# KiCad board SparkFun_GNSS_LG290P_panelized.kicad_pcb (continued)
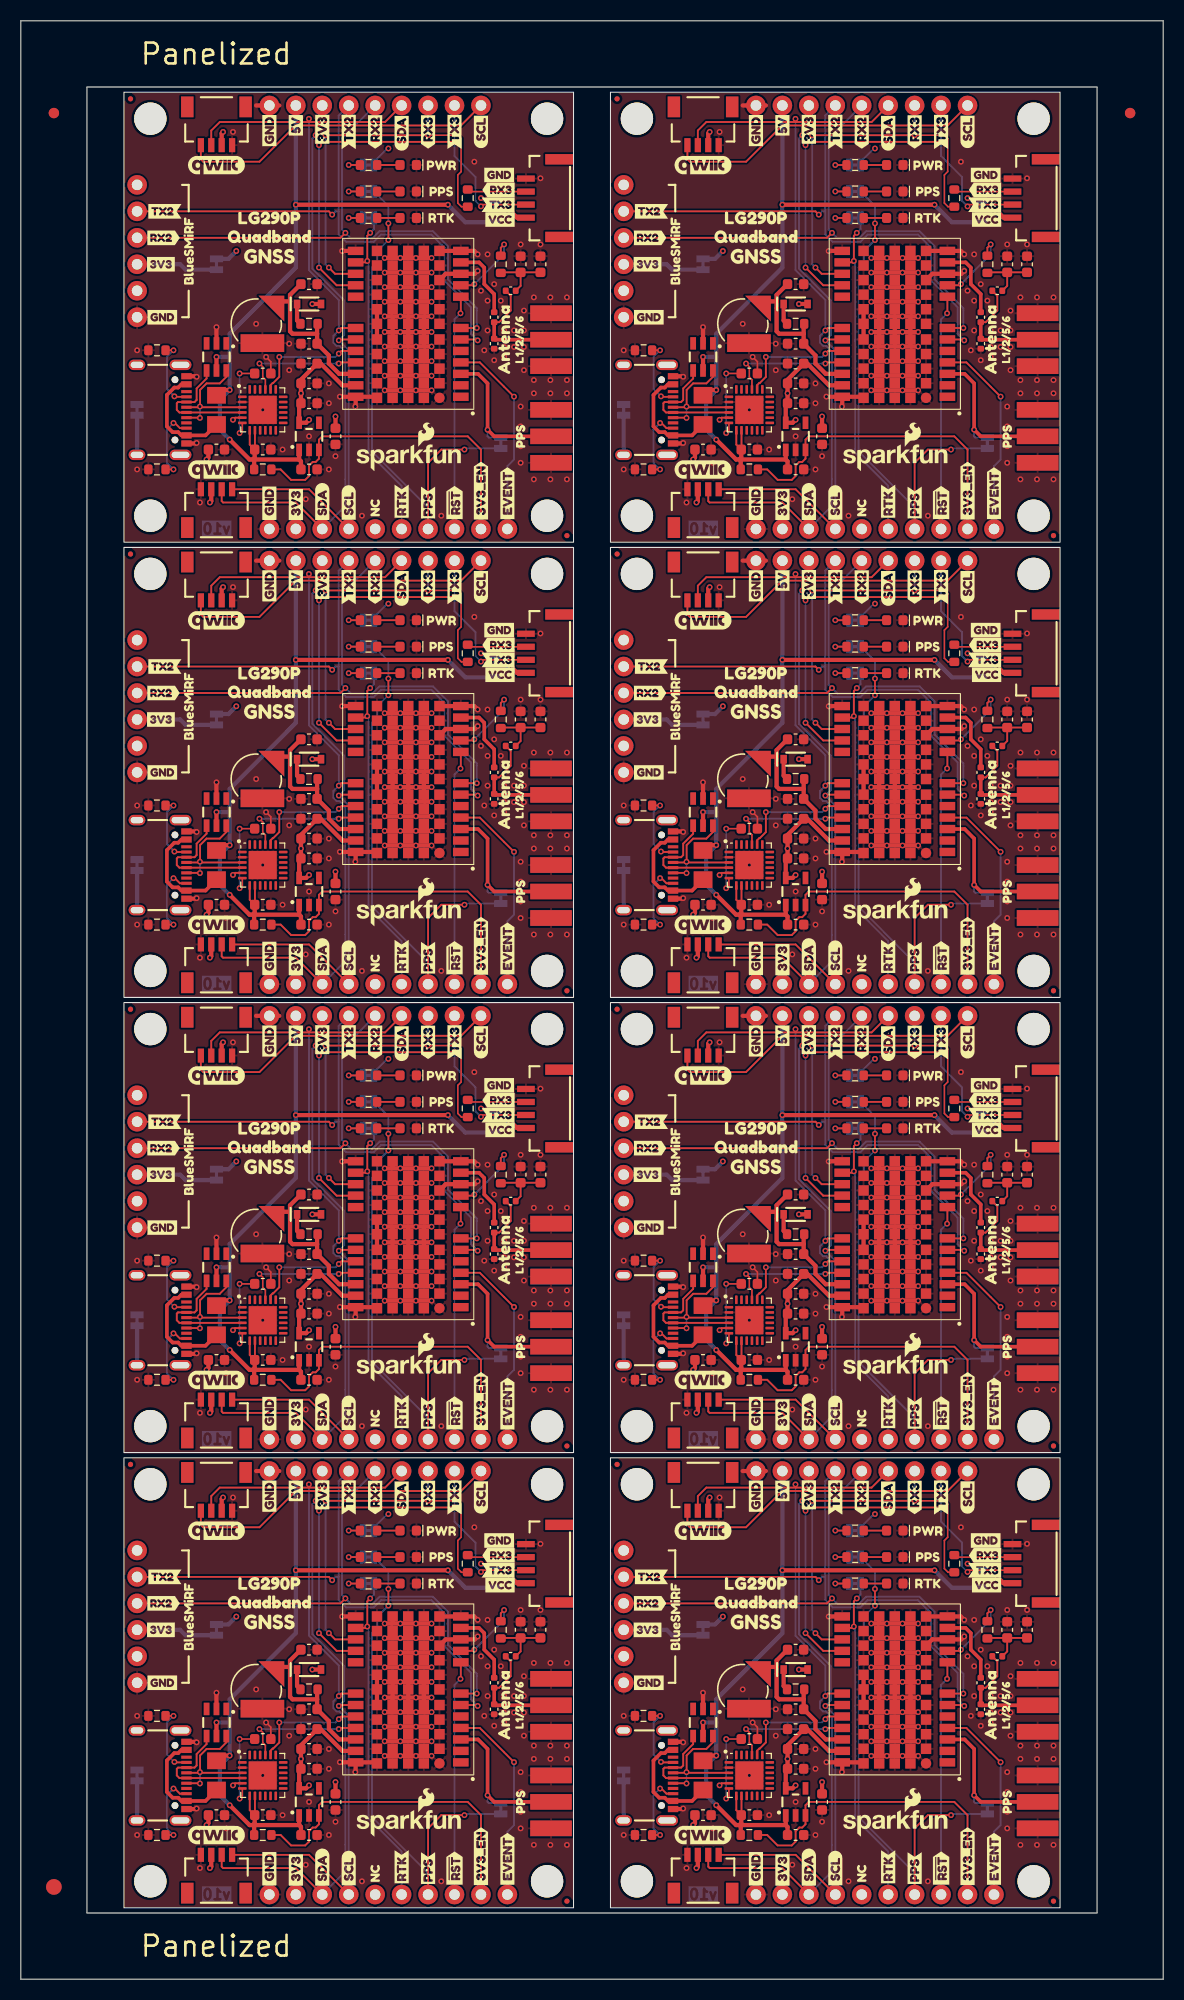
[diagram p0: board, top side]
## Placement (name value [footprint] x y rotation side) (continued)
JP7#5  ~  [Jumper_2_NC_Trace]  57.89 63.23 270 bottom
JP7#6  ~  [Jumper_2_NC_Trace]  57.89 106.91 270 bottom
JP7#7  ~  [Jumper_2_NC_Trace]  11.16 150.59 270 bottom
JP7#8  ~  [Jumper_2_NC_Trace]  57.89 150.59 270 bottom
kibuzzard-64C2E6A3  G***  [kibuzzard-64C2E6A3]  87.12 86.69 0 top
kibuzzard-64C2E6A3#2  G***  [kibuzzard-64C2E6A3]  87.12 43.01 0 top
kibuzzard-64C2E6A3#3  G***  [kibuzzard-64C2E6A3]  40.39 86.69 0 top
kibuzzard-64C2E6A3#4  G***  [kibuzzard-64C2E6A3]  87.12 174.05 0 top
kibuzzard-64C2E6A3#5  G***  [kibuzzard-64C2E6A3]  40.39 130.37 0 top
kibuzzard-64C2E6A3#6  G***  [kibuzzard-64C2E6A3]  40.39 174.05 0 top
kibuzzard-64C2E6A3#7  G***  [kibuzzard-64C2E6A3]  87.12 130.37 0 top
kibuzzard-64C2E6A3#8  G***  [kibuzzard-64C2E6A3]  40.39 43.01 0 top
kibuzzard-64C2E6BD  G***  [kibuzzard-64C2E6BD]  40.38 40.51 0 top
kibuzzard-64C2E6BD#2  G***  [kibuzzard-64C2E6BD]  40.38 127.87 0 top
kibuzzard-64C2E6BD#3  G***  [kibuzzard-64C2E6BD]  87.11 127.87 0 top
kibuzzard-64C2E6BD#4  G***  [kibuzzard-64C2E6BD]  87.11 40.51 0 top
kibuzzard-64C2E6BD#5  G***  [kibuzzard-64C2E6BD]  40.38 171.55 0 top
kibuzzard-64C2E6BD#6  G***  [kibuzzard-64C2E6BD]  40.38 84.19 0 top
kibuzzard-64C2E6BD#7  G***  [kibuzzard-64C2E6BD]  87.11 84.19 0 top
kibuzzard-64C2E6BD#8  G***  [kibuzzard-64C2E6BD]  87.11 171.55 0 top
kibuzzard-64C2E6D6  G***  [kibuzzard-64C2E6D6]  87.11 169 0 top
kibuzzard-64C2E6D6#2  G***  [kibuzzard-64C2E6D6]  87.11 81.65 0 top
kibuzzard-64C2E6D6#3  G***  [kibuzzard-64C2E6D6]  40.38 125.33 0 top
kibuzzard-64C2E6D6#4  G***  [kibuzzard-64C2E6D6]  40.38 169 0 top
kibuzzard-64C2E6D6#5  G***  [kibuzzard-64C2E6D6]  87.11 125.33 0 top
kibuzzard-64C2E6D6#6  G***  [kibuzzard-64C2E6D6]  87.11 37.97 0 top
kibuzzard-64C2E6D6#7  G***  [kibuzzard-64C2E6D6]  40.38 81.65 0 top
kibuzzard-64C2E6D6#8  G***  [kibuzzard-64C2E6D6]  40.38 37.97 0 top
kibuzzard-64C2E728  G***  [kibuzzard-64C2E728]  36.57 37.97 180 bottom
kibuzzard-64C2E728#2  G***  [kibuzzard-64C2E728]  36.57 125.33 180 bottom
kibuzzard-64C2E728#3  G***  [kibuzzard-64C2E728]  36.57 81.65 180 bottom
kibuzzard-64C2E728#4  G***  [kibuzzard-64C2E728]  83.3 37.97 180 bottom
kibuzzard-64C2E728#5  G***  [kibuzzard-64C2E728]  83.3 169 180 bottom
kibuzzard-64C2E728#6  G***  [kibuzzard-64C2E728]  83.3 81.65 180 bottom
kibuzzard-64C2E728#7  G***  [kibuzzard-64C2E728]  83.3 125.33 180 bottom
kibuzzard-64C2E728#8  G***  [kibuzzard-64C2E728]  36.57 169 180 bottom
kibuzzard-64C2EB16  G***  [kibuzzard-64C2EB16]  46.42 26.28 90 top
kibuzzard-64C2EB16#2  G***  [kibuzzard-64C2EB16]  46.42 157.32 90 top
kibuzzard-64C2EB16#3  G***  [kibuzzard-64C2EB16]  46.42 113.64 90 top
kibuzzard-64C2EB16#4  G***  [kibuzzard-64C2EB16]  46.42 69.96 90 top
kibuzzard-64C2EB16#5  G***  [kibuzzard-64C2EB16]  93.14 26.28 90 top
kibuzzard-64C2EB16#6  G***  [kibuzzard-64C2EB16]  93.14 69.96 90 top
kibuzzard-64C2EB16#7  G***  [kibuzzard-64C2EB16]  93.14 113.64 90 top
kibuzzard-64C2EB16#8  G***  [kibuzzard-64C2EB16]  93.14 157.32 90 top
kibuzzard-64C3DF93  G***  [kibuzzard-64C3DF93]  12.94 19.55 270 bottom
kibuzzard-64C3DF93#2  G***  [kibuzzard-64C3DF93]  59.67 106.91 270 bottom
kibuzzard-64C3DF93#3  G***  [kibuzzard-64C3DF93]  59.67 150.59 270 bottom
kibuzzard-64C3DF93#4  G***  [kibuzzard-64C3DF93]  12.94 63.23 270 bottom
kibuzzard-64C3DF93#5  G***  [kibuzzard-64C3DF93]  12.94 150.59 270 bottom
kibuzzard-64C3DF93#6  G***  [kibuzzard-64C3DF93]  59.67 19.55 270 bottom
kibuzzard-64C3DF93#7  G***  [kibuzzard-64C3DF93]  59.67 63.23 270 bottom
kibuzzard-64C3DF93#8  G***  [kibuzzard-64C3DF93]  12.94 106.91 270 bottom
kibuzzard-64CB1646  G***  [kibuzzard-64CB1646]  36.57 43.05 180 bottom
kibuzzard-64CB1646#2  G***  [kibuzzard-64CB1646]  36.57 130.41 180 bottom
kibuzzard-64CB1646#3  G***  [kibuzzard-64CB1646]  83.3 130.41 180 bottom
kibuzzard-64CB1646#4  G***  [kibuzzard-64CB1646]  36.57 86.72 180 bottom
kibuzzard-64CB1646#5  G***  [kibuzzard-64CB1646]  36.57 174.09 180 bottom
kibuzzard-64CB1646#6  G***  [kibuzzard-64CB1646]  83.3 43.05 180 bottom
kibuzzard-64CB1646#7  G***  [kibuzzard-64CB1646]  83.3 86.72 180 bottom
kibuzzard-64CB1646#8  G***  [kibuzzard-64CB1646]  83.3 174.09 180 bottom
kibuzzard-64CB1658  G***  [kibuzzard-64CB1658]  36.57 40.51 180 bottom
kibuzzard-64CB1658#2  G***  [kibuzzard-64CB1658]  36.57 84.19 180 bottom
kibuzzard-64CB1658#3  G***  [kibuzzard-64CB1658]  36.57 127.87 180 bottom
kibuzzard-64CB1658#4  G***  [kibuzzard-64CB1658]  83.3 127.87 180 bottom
kibuzzard-64CB1658#5  G***  [kibuzzard-64CB1658]  36.57 171.55 180 bottom
kibuzzard-64CB1658#6  G***  [kibuzzard-64CB1658]  83.3 84.19 180 bottom
kibuzzard-64CB1658#7  G***  [kibuzzard-64CB1658]  83.3 171.55 180 bottom
kibuzzard-64CB1658#8  G***  [kibuzzard-64CB1658]  83.3 40.51 180 bottom
kibuzzard-64D296AE  G***  [kibuzzard-64D296AE]  23.87 77.96 0 top
kibuzzard-64D296AE#2  G***  [kibuzzard-64D296AE]  70.6 34.28 0 top
kibuzzard-64D296AE#3  G***  [kibuzzard-64D296AE]  70.6 77.96 0 top
kibuzzard-64D296AE#4  G***  [kibuzzard-64D296AE]  70.6 121.64 0 top
kibuzzard-64D296AE#5  G***  [kibuzzard-64D296AE]  23.87 121.64 0 top
kibuzzard-64D296AE#6  G***  [kibuzzard-64D296AE]  23.87 165.32 0 top
kibuzzard-64D296AE#7  G***  [kibuzzard-64D296AE]  70.6 165.32 0 top
kibuzzard-64D296AE#8  G***  [kibuzzard-64D296AE]  23.87 34.28 0 top
kibuzzard-66C94FCB  G***  [kibuzzard-66C94FCB]  31.49 25.58 180 bottom
kibuzzard-66C94FCB#2  G***  [kibuzzard-66C94FCB]  31.49 156.62 180 bottom
kibuzzard-66C94FCB#3  G***  [kibuzzard-66C94FCB]  78.22 25.58 180 bottom
kibuzzard-66C94FCB#4  G***  [kibuzzard-66C94FCB]  31.49 69.26 180 bottom
kibuzzard-66C94FCB#5  G***  [kibuzzard-66C94FCB]  31.49 112.94 180 bottom
kibuzzard-66C94FCB#6  G***  [kibuzzard-66C94FCB]  78.22 69.26 180 bottom
kibuzzard-66C94FCB#7  G***  [kibuzzard-66C94FCB]  78.22 156.62 180 bottom
kibuzzard-66C94FCB#8  G***  [kibuzzard-66C94FCB]  78.22 112.94 180 bottom
kibuzzard-66C9493A  G***  [kibuzzard-66C9493A]  23.87 167.23 0 top
kibuzzard-66C9493A#2  G***  [kibuzzard-66C9493A]  23.87 79.87 0 top
kibuzzard-66C9493A#3  G***  [kibuzzard-66C9493A]  23.87 123.55 0 top
kibuzzard-66C9493A#4  G***  [kibuzzard-66C9493A]  70.6 36.19 0 top
kibuzzard-66C9493A#5  G***  [kibuzzard-66C9493A]  70.6 167.23 0 top
kibuzzard-66C9493A#6  G***  [kibuzzard-66C9493A]  70.6 79.87 0 top
kibuzzard-66C9493A#7  G***  [kibuzzard-66C9493A]  70.6 123.55 0 top
kibuzzard-66C9493A#8  G***  [kibuzzard-66C9493A]  23.87 36.19 0 top
kibuzzard-66C94934  G***  [kibuzzard-66C94934]  23.87 81.65 0 top
kibuzzard-66C94934#2  G***  [kibuzzard-66C94934]  23.87 125.33 0 top
kibuzzard-66C94934#3  G***  [kibuzzard-66C94934]  70.6 37.97 0 top
kibuzzard-66C94934#4  G***  [kibuzzard-66C94934]  70.6 81.65 0 top
kibuzzard-66C94934#5  G***  [kibuzzard-66C94934]  23.87 169 0 top
kibuzzard-66C94934#6  G***  [kibuzzard-66C94934]  70.6 169 0 top
kibuzzard-66C94934#7  G***  [kibuzzard-66C94934]  70.6 125.33 0 top
kibuzzard-66C94934#8  G***  [kibuzzard-66C94934]  23.87 37.97 0 top
kibuzzard-66C94943  G***  [kibuzzard-66C94943]  47.89 26.29 90 top
kibuzzard-66C94943#2  G***  [kibuzzard-66C94943]  47.89 157.33 90 top
kibuzzard-66C94943#3  G***  [kibuzzard-66C94943]  94.62 157.33 90 top
kibuzzard-66C94943#4  G***  [kibuzzard-66C94943]  94.62 69.97 90 top
kibuzzard-66C94943#5  G***  [kibuzzard-66C94943]  47.89 69.97 90 top
kibuzzard-66C94943#6  G***  [kibuzzard-66C94943]  47.89 113.65 90 top
kibuzzard-66C94943#7  G***  [kibuzzard-66C94943]  94.62 113.65 90 top
kibuzzard-66C94943#8  G***  [kibuzzard-66C94943]  94.62 26.29 90 top
kibuzzard-66CAA7B2  G***  [kibuzzard-66CAA7B2]  46.73 142.59 90 top
kibuzzard-66CAA7B2#2  G***  [kibuzzard-66CAA7B2]  46.73 55.23 90 top
kibuzzard-66CAA7B2#3  G***  [kibuzzard-66CAA7B2]  46.73 98.91 90 top
kibuzzard-66CAA7B2#4  G***  [kibuzzard-66CAA7B2]  93.46 98.91 90 top
kibuzzard-66CAA7B2#5  G***  [kibuzzard-66CAA7B2]  93.46 11.55 90 top
kibuzzard-66CAA7B2#6  G***  [kibuzzard-66CAA7B2]  93.46 55.23 90 top
kibuzzard-66CAA7B2#7  G***  [kibuzzard-66CAA7B2]  93.46 142.59 90 top
kibuzzard-66CAA7B2#8  G***  [kibuzzard-66CAA7B2]  46.73 11.55 90 top
kibuzzard-66CAA7D2  G***  [kibuzzard-66CAA7D2]  90.92 11.8 90 top
kibuzzard-66CAA7D2#2  G***  [kibuzzard-66CAA7D2]  44.19 55.48 90 top
kibuzzard-66CAA7D2#3  G***  [kibuzzard-66CAA7D2]  44.19 99.16 90 top
kibuzzard-66CAA7D2#4  G***  [kibuzzard-66CAA7D2]  44.19 142.84 90 top
kibuzzard-66CAA7D2#5  G***  [kibuzzard-66CAA7D2]  90.92 55.48 90 top
kibuzzard-66CAA7D2#6  G***  [kibuzzard-66CAA7D2]  90.92 142.84 90 top
kibuzzard-66CAA7D2#7  G***  [kibuzzard-66CAA7D2]  90.92 99.16 90 top
kibuzzard-66CAA7D2#8  G***  [kibuzzard-66CAA7D2]  44.19 11.8 90 top
kibuzzard-66CAA8C4  G***  [kibuzzard-66CAA8C4]  13.71 79.74 0 top
kibuzzard-66CAA8C4#2  G***  [kibuzzard-66CAA8C4]  13.71 123.42 0 top
kibuzzard-66CAA8C4#3  G***  [kibuzzard-66CAA8C4]  60.44 36.06 0 top
kibuzzard-66CAA8C4#4  G***  [kibuzzard-66CAA8C4]  13.71 167.1 0 top
kibuzzard-66CAA8C4#5  G***  [kibuzzard-66CAA8C4]  60.44 167.1 0 top
kibuzzard-66CAA8C4#6  G***  [kibuzzard-66CAA8C4]  60.44 123.42 0 top
kibuzzard-66CAA8C4#7  G***  [kibuzzard-66CAA8C4]  60.44 79.74 0 top
kibuzzard-66CAA8C4#8  G***  [kibuzzard-66CAA8C4]  13.71 36.06 0 top
kibuzzard-66CAA8D1  G***  [kibuzzard-66CAA8D1]  60.44 167.1 180 bottom
kibuzzard-66CAA8D1#2  G***  [kibuzzard-66CAA8D1]  60.44 36.06 180 bottom
kibuzzard-66CAA8D1#3  G***  [kibuzzard-66CAA8D1]  60.44 79.74 180 bottom
kibuzzard-66CAA8D1#4  G***  [kibuzzard-66CAA8D1]  60.44 123.42 180 bottom
kibuzzard-66CAA8D1#5  G***  [kibuzzard-66CAA8D1]  13.71 123.42 180 bottom
kibuzzard-66CAA8D1#6  G***  [kibuzzard-66CAA8D1]  13.71 167.1 180 bottom
kibuzzard-66CAA8D1#7  G***  [kibuzzard-66CAA8D1]  13.71 79.74 180 bottom
kibuzzard-66CAA8D1#8  G***  [kibuzzard-66CAA8D1]  13.71 36.06 180 bottom
kibuzzard-66CAA8D8  G***  [kibuzzard-66CAA8D8]  13.84 38.6 0 top
kibuzzard-66CAA8D8#2  G***  [kibuzzard-66CAA8D8]  13.84 82.28 0 top
kibuzzard-66CAA8D8#3  G***  [kibuzzard-66CAA8D8]  13.84 169.64 0 top
kibuzzard-66CAA8D8#4  G***  [kibuzzard-66CAA8D8]  60.56 38.6 0 top
kibuzzard-66CAA8D8#5  G***  [kibuzzard-66CAA8D8]  60.56 82.28 0 top
kibuzzard-66CAA8D8#6  G***  [kibuzzard-66CAA8D8]  13.84 125.96 0 top
kibuzzard-66CAA8D8#7  G***  [kibuzzard-66CAA8D8]  60.56 125.96 0 top
kibuzzard-66CAA8D8#8  G***  [kibuzzard-66CAA8D8]  60.56 169.64 0 top
kibuzzard-66CAA8DF  G***  [kibuzzard-66CAA8DF]  60.56 38.6 180 bottom
kibuzzard-66CAA8DF#2  G***  [kibuzzard-66CAA8DF]  13.84 125.96 180 bottom
kibuzzard-66CAA8DF#3  G***  [kibuzzard-66CAA8DF]  13.84 82.28 180 bottom
kibuzzard-66CAA8DF#4  G***  [kibuzzard-66CAA8DF]  13.84 169.64 180 bottom
kibuzzard-66CAA8DF#5  G***  [kibuzzard-66CAA8DF]  60.56 82.28 180 bottom
kibuzzard-66CAA8DF#6  G***  [kibuzzard-66CAA8DF]  60.56 125.96 180 bottom
kibuzzard-66CAA8DF#7  G***  [kibuzzard-66CAA8DF]  60.56 169.64 180 bottom
kibuzzard-66CAA8DF#8  G***  [kibuzzard-66CAA8DF]  13.84 38.6 180 bottom
kibuzzard-66CAA8E9  G***  [kibuzzard-66CAA8E9]  13.45 33.52 0 top
kibuzzard-66CAA8E9#2  G***  [kibuzzard-66CAA8E9]  13.45 77.2 0 top
kibuzzard-66CAA8E9#3  G***  [kibuzzard-66CAA8E9]  13.45 120.88 0 top
kibuzzard-66CAA8E9#4  G***  [kibuzzard-66CAA8E9]  60.18 164.56 0 top
kibuzzard-66CAA8E9#5  G***  [kibuzzard-66CAA8E9]  60.18 77.2 0 top
kibuzzard-66CAA8E9#6  G***  [kibuzzard-66CAA8E9]  60.18 33.52 0 top
kibuzzard-66CAA8E9#7  G***  [kibuzzard-66CAA8E9]  60.18 120.88 0 top
kibuzzard-66CAA8E9#8  G***  [kibuzzard-66CAA8E9]  13.45 164.56 0 top
kibuzzard-66CAA8ED  G***  [kibuzzard-66CAA8ED]  13.45 33.52 180 bottom
kibuzzard-66CAA8ED#2  G***  [kibuzzard-66CAA8ED]  13.45 164.56 180 bottom
kibuzzard-66CAA8ED#3  G***  [kibuzzard-66CAA8ED]  13.45 77.2 180 bottom
kibuzzard-66CAA8ED#4  G***  [kibuzzard-66CAA8ED]  13.45 120.88 180 bottom
kibuzzard-66CAA8ED#5  G***  [kibuzzard-66CAA8ED]  60.18 33.52 180 bottom
kibuzzard-66CAA8ED#6  G***  [kibuzzard-66CAA8ED]  60.18 164.56 180 bottom
kibuzzard-66CAA8ED#7  G***  [kibuzzard-66CAA8ED]  60.18 77.2 180 bottom
kibuzzard-66CAA8ED#8  G***  [kibuzzard-66CAA8ED]  60.18 120.88 180 bottom
kibuzzard-66CAA9A5  G***  [kibuzzard-66CAA9A5]  73.14 46.86 90 top
kibuzzard-66CAA9A5#2  G***  [kibuzzard-66CAA9A5]  73.14 134.22 90 top
kibuzzard-66CAA9A5#3  G***  [kibuzzard-66CAA9A5]  26.41 90.53 90 top
kibuzzard-66CAA9A5#4  G***  [kibuzzard-66CAA9A5]  73.14 177.9 90 top
kibuzzard-66CAA9A5#5  G***  [kibuzzard-66CAA9A5]  26.41 134.22 90 top
kibuzzard-66CAA9A5#6  G***  [kibuzzard-66CAA9A5]  26.41 177.9 90 top
kibuzzard-66CAA9A5#7  G***  [kibuzzard-66CAA9A5]  73.14 90.53 90 top
kibuzzard-66CAA9A5#8  G***  [kibuzzard-66CAA9A5]  26.41 46.86 90 top
kibuzzard-66CAA9A5#9  G***  [kibuzzard-66CAA9A5]  26.41 46.86 270 bottom
kibuzzard-66CAA9A5#10  G***  [kibuzzard-66CAA9A5]  73.14 90.53 270 bottom
kibuzzard-66CAA9A5#11  G***  [kibuzzard-66CAA9A5]  26.41 134.22 270 bottom
kibuzzard-66CAA9A5#12  G***  [kibuzzard-66CAA9A5]  26.41 177.9 270 bottom
kibuzzard-66CAA9A5#13  G***  [kibuzzard-66CAA9A5]  73.14 46.86 270 bottom
kibuzzard-66CAA9A5#14  G***  [kibuzzard-66CAA9A5]  73.14 134.22 270 bottom
kibuzzard-66CAA9A5#15  G***  [kibuzzard-66CAA9A5]  73.14 177.9 270 bottom
kibuzzard-66CAA9A5#16  G***  [kibuzzard-66CAA9A5]  26.41 90.53 270 bottom
kibuzzard-66CAA9AE  G***  [kibuzzard-66CAA9AE]  28.95 133.83 90 top
kibuzzard-66CAA9AE#2  G***  [kibuzzard-66CAA9AE]  75.68 177.51 90 top
kibuzzard-66CAA9AE#3  G***  [kibuzzard-66CAA9AE]  28.95 90.15 90 top
kibuzzard-66CAA9AE#4  G***  [kibuzzard-66CAA9AE]  75.68 90.15 90 top
kibuzzard-66CAA9AE#5  G***  [kibuzzard-66CAA9AE]  28.95 177.51 90 top
kibuzzard-66CAA9AE#6  G***  [kibuzzard-66CAA9AE]  75.68 46.47 90 top
kibuzzard-66CAA9AE#7  G***  [kibuzzard-66CAA9AE]  75.68 133.83 90 top
kibuzzard-66CAA9AE#8  G***  [kibuzzard-66CAA9AE]  28.95 46.47 90 top
kibuzzard-66CAA9AE#9  G***  [kibuzzard-66CAA9AE]  28.95 46.47 270 bottom
kibuzzard-66CAA9AE#10  G***  [kibuzzard-66CAA9AE]  28.95 133.83 270 bottom
kibuzzard-66CAA9AE#11  G***  [kibuzzard-66CAA9AE]  28.95 90.15 270 bottom
kibuzzard-66CAA9AE#12  G***  [kibuzzard-66CAA9AE]  28.95 177.51 270 bottom
kibuzzard-66CAA9AE#13  G***  [kibuzzard-66CAA9AE]  75.68 46.47 270 bottom
kibuzzard-66CAA9AE#14  G***  [kibuzzard-66CAA9AE]  75.68 90.15 270 bottom
kibuzzard-66CAA9AE#15  G***  [kibuzzard-66CAA9AE]  75.68 177.51 270 bottom
kibuzzard-66CAA9AE#16  G***  [kibuzzard-66CAA9AE]  75.68 133.83 270 bottom
kibuzzard-66CAA9CC  G***  [kibuzzard-66CAA9CC]  31.49 46.22 90 top
kibuzzard-66CAA9CC#2  G***  [kibuzzard-66CAA9CC]  31.49 89.9 90 top
kibuzzard-66CAA9CC#3  G***  [kibuzzard-66CAA9CC]  31.49 133.58 90 top
kibuzzard-66CAA9CC#4  G***  [kibuzzard-66CAA9CC]  31.49 177.26 90 top
kibuzzard-66CAA9CC#5  G***  [kibuzzard-66CAA9CC]  78.22 46.22 90 top
kibuzzard-66CAA9CC#6  G***  [kibuzzard-66CAA9CC]  78.22 89.9 90 top
kibuzzard-66CAA9CC#7  G***  [kibuzzard-66CAA9CC]  78.22 133.58 90 top
kibuzzard-66CAA9CC#8  G***  [kibuzzard-66CAA9CC]  78.22 177.26 90 top
kibuzzard-66CAA9E1  G***  [kibuzzard-66CAA9E1]  34.03 46.22 90 top
kibuzzard-66CAA9E1#2  G***  [kibuzzard-66CAA9E1]  34.03 133.58 90 top
kibuzzard-66CAA9E1#3  G***  [kibuzzard-66CAA9E1]  80.76 89.9 90 top
kibuzzard-66CAA9E1#4  G***  [kibuzzard-66CAA9E1]  34.03 89.9 90 top
kibuzzard-66CAA9E1#5  G***  [kibuzzard-66CAA9E1]  80.76 46.22 90 top
kibuzzard-66CAA9E1#6  G***  [kibuzzard-66CAA9E1]  34.03 177.26 90 top
kibuzzard-66CAA9E1#7  G***  [kibuzzard-66CAA9E1]  80.76 177.26 90 top
kibuzzard-66CAA9E1#8  G***  [kibuzzard-66CAA9E1]  80.76 133.58 90 top
kibuzzard-66CAA41A  G***  [kibuzzard-66CAA41A]  28.95 10.75 90 top
kibuzzard-66CAA41A#2  G***  [kibuzzard-66CAA41A]  28.95 54.43 90 top
kibuzzard-66CAA41A#3  G***  [kibuzzard-66CAA41A]  28.95 98.11 90 top
kibuzzard-66CAA41A#4  G***  [kibuzzard-66CAA41A]  28.95 141.79 90 top
kibuzzard-66CAA41A#5  G***  [kibuzzard-66CAA41A]  75.68 10.75 90 top
kibuzzard-66CAA41A#6  G***  [kibuzzard-66CAA41A]  75.68 54.43 90 top
kibuzzard-66CAA41A#7  G***  [kibuzzard-66CAA41A]  75.68 98.11 90 top
kibuzzard-66CAA41A#8  G***  [kibuzzard-66CAA41A]  75.68 141.79 90 top
kibuzzard-66CAA70F  G***  [kibuzzard-66CAA70F]  41.65 141.7 90 top
kibuzzard-66CAA70F#2  G***  [kibuzzard-66CAA70F]  41.65 54.34 90 top
kibuzzard-66CAA70F#3  G***  [kibuzzard-66CAA70F]  41.65 98.02 90 top
kibuzzard-66CAA70F#4  G***  [kibuzzard-66CAA70F]  88.38 10.66 90 top
kibuzzard-66CAA70F#5  G***  [kibuzzard-66CAA70F]  88.38 54.34 90 top
kibuzzard-66CAA70F#6  G***  [kibuzzard-66CAA70F]  88.38 98.02 90 top
kibuzzard-66CAA70F#7  G***  [kibuzzard-66CAA70F]  88.38 141.7 90 top
kibuzzard-66CAA70F#8  G***  [kibuzzard-66CAA70F]  41.65 10.66 90 top
kibuzzard-66CAA426  G***  [kibuzzard-66CAA426]  26.41 141.51 90 top
kibuzzard-66CAA426#2  G***  [kibuzzard-66CAA426]  26.41 54.15 90 top
kibuzzard-66CAA426#3  G***  [kibuzzard-66CAA426]  26.41 97.83 90 top
kibuzzard-66CAA426#4  G***  [kibuzzard-66CAA426]  73.14 10.47 90 top
kibuzzard-66CAA426#5  G***  [kibuzzard-66CAA426]  73.14 97.83 90 top
kibuzzard-66CAA426#6  G***  [kibuzzard-66CAA426]  73.14 54.15 90 top
kibuzzard-66CAA426#7  G***  [kibuzzard-66CAA426]  73.14 141.51 90 top
kibuzzard-66CAA426#8  G***  [kibuzzard-66CAA426]  26.41 10.47 90 top
kibuzzard-66CAA426#9  G***  [kibuzzard-66CAA426]  26.41 10.66 270 bottom
kibuzzard-66CAA426#10  G***  [kibuzzard-66CAA426]  73.14 141.7 270 bottom
kibuzzard-66CAA426#11  G***  [kibuzzard-66CAA426]  73.14 98.02 270 bottom
kibuzzard-66CAA426#12  G***  [kibuzzard-66CAA426]  73.14 54.34 270 bottom
kibuzzard-66CAA426#13  G***  [kibuzzard-66CAA426]  73.14 10.66 270 bottom
kibuzzard-66CAA426#14  G***  [kibuzzard-66CAA426]  26.41 54.34 270 bottom
kibuzzard-66CAA426#15  G***  [kibuzzard-66CAA426]  26.41 98.02 270 bottom
kibuzzard-66CAA426#16  G***  [kibuzzard-66CAA426]  26.41 141.7 270 bottom
kibuzzard-66CAA432  G***  [kibuzzard-66CAA432]  23.87 141.63 90 top
kibuzzard-66CAA432#2  G***  [kibuzzard-66CAA432]  70.6 54.27 90 top
kibuzzard-66CAA432#3  G***  [kibuzzard-66CAA432]  23.87 54.27 90 top
kibuzzard-66CAA432#4  G***  [kibuzzard-66CAA432]  70.6 10.59 90 top
kibuzzard-66CAA432#5  G***  [kibuzzard-66CAA432]  23.87 97.95 90 top
kibuzzard-66CAA432#6  G***  [kibuzzard-66CAA432]  70.6 141.63 90 top
kibuzzard-66CAA432#7  G***  [kibuzzard-66CAA432]  70.6 97.95 90 top
kibuzzard-66CAA432#8  G***  [kibuzzard-66CAA432]  23.87 10.59 90 top
kibuzzard-66CAA432#9  G***  [kibuzzard-66CAA432]  23.87 141.83 270 bottom
kibuzzard-66CAA432#10  G***  [kibuzzard-66CAA432]  23.87 98.15 270 bottom
kibuzzard-66CAA432#11  G***  [kibuzzard-66CAA432]  70.6 141.83 270 bottom
kibuzzard-66CAA432#12  G***  [kibuzzard-66CAA432]  70.6 98.15 270 bottom
kibuzzard-66CAA432#13  G***  [kibuzzard-66CAA432]  70.6 10.79 270 bottom
kibuzzard-66CAA432#14  G***  [kibuzzard-66CAA432]  23.87 54.47 270 bottom
kibuzzard-66CAA432#15  G***  [kibuzzard-66CAA432]  70.6 54.47 270 bottom
kibuzzard-66CAA432#16  G***  [kibuzzard-66CAA432]  23.87 10.79 270 bottom
kibuzzard-66CAA594  G***  [kibuzzard-66CAA594]  78.22 141.7 90 top
kibuzzard-66CAA594#2  G***  [kibuzzard-66CAA594]  31.49 54.34 90 top
kibuzzard-66CAA594#3  G***  [kibuzzard-66CAA594]  31.49 98.02 90 top
kibuzzard-66CAA594#4  G***  [kibuzzard-66CAA594]  31.49 141.7 90 top
kibuzzard-66CAA594#5  G***  [kibuzzard-66CAA594]  78.22 54.34 90 top
kibuzzard-66CAA594#6  G***  [kibuzzard-66CAA594]  78.22 10.66 90 top
kibuzzard-66CAA594#7  G***  [kibuzzard-66CAA594]  78.22 98.02 90 top
kibuzzard-66CAA594#8  G***  [kibuzzard-66CAA594]  31.49 10.66 90 top
kibuzzard-66CAA834  G***  [kibuzzard-66CAA834]  48 17.01 90 top
kibuzzard-66CAA834#2  G***  [kibuzzard-66CAA834]  94.73 104.37 90 top
kibuzzard-66CAA834#3  G***  [kibuzzard-66CAA834]  48 148.05 90 top
kibuzzard-66CAA834#4  G***  [kibuzzard-66CAA834]  94.73 17.01 90 top
kibuzzard-66CAA834#5  G***  [kibuzzard-66CAA834]  48 60.69 90 top
kibuzzard-66CAA834#6  G***  [kibuzzard-66CAA834]  48 104.37 90 top
kibuzzard-66CAA834#7  G***  [kibuzzard-66CAA834]  94.73 60.69 90 top
kibuzzard-66CAA834#8  G***  [kibuzzard-66CAA834]  94.73 148.05 90 top
kibuzzard-66CAAA3A  G***  [kibuzzard-66CAAA3A]  39.11 177.26 90 top
kibuzzard-66CAAA3A#2  G***  [kibuzzard-66CAAA3A]  39.11 133.58 90 top
kibuzzard-66CAAA3A#3  G***  [kibuzzard-66CAAA3A]  85.84 46.22 90 top
kibuzzard-66CAAA3A#4  G***  [kibuzzard-66CAAA3A]  85.84 177.26 90 top
kibuzzard-66CAAA3A#5  G***  [kibuzzard-66CAAA3A]  39.11 89.9 90 top
kibuzzard-66CAAA3A#6  G***  [kibuzzard-66CAAA3A]  85.84 89.9 90 top
kibuzzard-66CAAA3A#7  G***  [kibuzzard-66CAAA3A]  85.84 133.58 90 top
kibuzzard-66CAAA3A#8  G***  [kibuzzard-66CAAA3A]  39.11 46.22 90 top
kibuzzard-66CAAA42  G***  [kibuzzard-66CAAA42]  41.65 46.22 90 top
kibuzzard-66CAAA42#2  G***  [kibuzzard-66CAAA42]  41.65 133.58 90 top
kibuzzard-66CAAA42#3  G***  [kibuzzard-66CAAA42]  41.65 177.26 90 top
kibuzzard-66CAAA42#4  G***  [kibuzzard-66CAAA42]  88.38 89.9 90 top
kibuzzard-66CAAA42#5  G***  [kibuzzard-66CAAA42]  88.38 133.58 90 top
kibuzzard-66CAAA42#6  G***  [kibuzzard-66CAAA42]  41.65 89.9 90 top
kibuzzard-66CAAA42#7  G***  [kibuzzard-66CAAA42]  88.38 46.22 90 top
kibuzzard-66CAAA42#8  G***  [kibuzzard-66CAAA42]  88.38 177.26 90 top
kibuzzard-66CAAA64  G***  [kibuzzard-66CAAA64]  44.19 89.9 90 top
kibuzzard-66CAAA64#2  G***  [kibuzzard-66CAAA64]  44.19 133.58 90 top
kibuzzard-66CAAA64#3  G***  [kibuzzard-66CAAA64]  44.19 177.26 90 top
kibuzzard-66CAAA64#4  G***  [kibuzzard-66CAAA64]  44.19 46.22 90 top
kibuzzard-66CAAA64#5  G***  [kibuzzard-66CAAA64]  90.92 46.22 90 top
kibuzzard-66CAAA64#6  G***  [kibuzzard-66CAAA64]  90.92 177.26 90 top
kibuzzard-66CAAA64#7  G***  [kibuzzard-66CAAA64]  90.92 89.9 90 top
kibuzzard-66CAAA64#8  G***  [kibuzzard-66CAAA64]  90.92 133.58 90 top
kibuzzard-66CB3A22  G***  [kibuzzard-66CB3A22]  13.58 28.44 0 top
kibuzzard-66CB3A22#2  G***  [kibuzzard-66CB3A22]  13.58 115.8 0 top
kibuzzard-66CB3A22#3  G***  [kibuzzard-66CB3A22]  60.31 159.48 0 top
kibuzzard-66CB3A22#4  G***  [kibuzzard-66CB3A22]  60.31 28.44 0 top
kibuzzard-66CB3A22#5  G***  [kibuzzard-66CB3A22]  13.58 72.12 0 top
kibuzzard-66CB3A22#6  G***  [kibuzzard-66CB3A22]  13.58 159.48 0 top
kibuzzard-66CB3A22#7  G***  [kibuzzard-66CB3A22]  60.31 72.12 0 top
kibuzzard-66CB3A22#8  G***  [kibuzzard-66CB3A22]  60.31 115.8 0 top
kibuzzard-66CB3A29  G***  [kibuzzard-66CB3A29]  13.58 159.48 180 bottom
kibuzzard-66CB3A29#2  G***  [kibuzzard-66CB3A29]  60.31 28.44 180 bottom
kibuzzard-66CB3A29#3  G***  [kibuzzard-66CB3A29]  60.31 115.8 180 bottom
kibuzzard-66CB3A29#4  G***  [kibuzzard-66CB3A29]  13.58 72.12 180 bottom
kibuzzard-66CB3A29#5  G***  [kibuzzard-66CB3A29]  13.58 115.8 180 bottom
kibuzzard-66CB3A29#6  G***  [kibuzzard-66CB3A29]  60.31 159.48 180 bottom
kibuzzard-66CB3A29#7  G***  [kibuzzard-66CB3A29]  60.31 72.12 180 bottom
kibuzzard-66CB3A29#8  G***  [kibuzzard-66CB3A29]  13.58 28.44 180 bottom
kibuzzard-66CB3AB2  G***  [kibuzzard-66CB3AB2]  44.19 46.22 270 bottom
kibuzzard-66CB3AB2#2  G***  [kibuzzard-66CB3AB2]  90.92 177.26 270 bottom
kibuzzard-66CB3AB2#3  G***  [kibuzzard-66CB3AB2]  90.92 46.22 270 bottom
kibuzzard-66CB3AB2#4  G***  [kibuzzard-66CB3AB2]  44.19 133.58 270 bottom
kibuzzard-66CB3AB2#5  G***  [kibuzzard-66CB3AB2]  44.19 177.26 270 bottom
kibuzzard-66CB3AB2#6  G***  [kibuzzard-66CB3AB2]  90.92 89.9 270 bottom
kibuzzard-66CB3AB2#7  G***  [kibuzzard-66CB3AB2]  90.92 133.58 270 bottom
kibuzzard-66CB3AB2#8  G***  [kibuzzard-66CB3AB2]  44.19 89.9 270 bottom
kibuzzard-66CB3AEE  G***  [kibuzzard-66CB3AEE]  83.3 89.77 270 bottom
kibuzzard-66CB3AEE#2  G***  [kibuzzard-66CB3AEE]  36.57 133.45 270 bottom
kibuzzard-66CB3AEE#3  G***  [kibuzzard-66CB3AEE]  36.57 177.13 270 bottom
kibuzzard-66CB3AEE#4  G***  [kibuzzard-66CB3AEE]  83.3 177.13 270 bottom
kibuzzard-66CB3AEE#5  G***  [kibuzzard-66CB3AEE]  83.3 133.45 270 bottom
kibuzzard-66CB3AEE#6  G***  [kibuzzard-66CB3AEE]  36.57 89.77 270 bottom
kibuzzard-66CB3AEE#7  G***  [kibuzzard-66CB3AEE]  83.3 46.09 270 bottom
kibuzzard-66CB3AEE#8  G***  [kibuzzard-66CB3AEE]  36.57 46.09 270 bottom
kibuzzard-66CB3B05  G***  [kibuzzard-66CB3B05]  83.3 46.09 90 top
kibuzzard-66CB3B05#2  G***  [kibuzzard-66CB3B05]  83.3 177.13 90 top
kibuzzard-66CB3B05#3  G***  [kibuzzard-66CB3B05]  36.57 89.77 90 top
kibuzzard-66CB3B05#4  G***  [kibuzzard-66CB3B05]  36.57 133.45 90 top
kibuzzard-66CB3B05#5  G***  [kibuzzard-66CB3B05]  83.3 133.45 90 top
kibuzzard-66CB3B05#6  G***  [kibuzzard-66CB3B05]  36.57 177.13 90 top
kibuzzard-66CB3B05#7  G***  [kibuzzard-66CB3B05]  83.3 89.77 90 top
kibuzzard-66CB3B05#8  G***  [kibuzzard-66CB3B05]  36.57 46.09 90 top
kibuzzard-66CB3B6E  G***  [kibuzzard-66CB3B6E]  28.95 10.91 270 bottom
kibuzzard-66CB3B6E#2  G***  [kibuzzard-66CB3B6E]  28.95 54.59 270 bottom
kibuzzard-66CB3B6E#3  G***  [kibuzzard-66CB3B6E]  75.68 10.91 270 bottom
kibuzzard-66CB3B6E#4  G***  [kibuzzard-66CB3B6E]  75.68 141.95 270 bottom
kibuzzard-66CB3B6E#5  G***  [kibuzzard-66CB3B6E]  28.95 98.27 270 bottom
kibuzzard-66CB3B6E#6  G***  [kibuzzard-66CB3B6E]  28.95 141.95 270 bottom
kibuzzard-66CB3B6E#7  G***  [kibuzzard-66CB3B6E]  75.68 98.27 270 bottom
kibuzzard-66CB3B6E#8  G***  [kibuzzard-66CB3B6E]  75.68 54.59 270 bottom
kibuzzard-66CB3B7A  G***  [kibuzzard-66CB3B7A]  78.22 98.15 270 bottom
kibuzzard-66CB3B7A#2  G***  [kibuzzard-66CB3B7A]  78.22 54.47 270 bottom
kibuzzard-66CB3B7A#3  G***  [kibuzzard-66CB3B7A]  78.22 141.83 270 bottom
kibuzzard-66CB3B7A#4  G***  [kibuzzard-66CB3B7A]  31.49 10.79 270 bottom
kibuzzard-66CB3B7A#5  G***  [kibuzzard-66CB3B7A]  31.49 54.47 270 bottom
kibuzzard-66CB3B7A#6  G***  [kibuzzard-66CB3B7A]  31.49 98.15 270 bottom
kibuzzard-66CB3B7A#7  G***  [kibuzzard-66CB3B7A]  31.49 141.83 270 bottom
kibuzzard-66CB3B7A#8  G***  [kibuzzard-66CB3B7A]  78.22 10.79 270 bottom
kibuzzard-66CB3BAB  G***  [kibuzzard-66CB3BAB]  83.3 54.47 270 bottom
kibuzzard-66CB3BAB#2  G***  [kibuzzard-66CB3BAB]  83.3 10.79 270 bottom
kibuzzard-66CB3BAB#3  G***  [kibuzzard-66CB3BAB]  36.57 54.47 270 bottom
kibuzzard-66CB3BAB#4  G***  [kibuzzard-66CB3BAB]  36.57 98.15 270 bottom
kibuzzard-66CB3BAB#5  G***  [kibuzzard-66CB3BAB]  36.57 141.83 270 bottom
kibuzzard-66CB3BAB#6  G***  [kibuzzard-66CB3BAB]  83.3 98.15 270 bottom
kibuzzard-66CB3BAB#7  G***  [kibuzzard-66CB3BAB]  83.3 141.83 270 bottom
kibuzzard-66CB3BAB#8  G***  [kibuzzard-66CB3BAB]  36.57 10.79 270 bottom
kibuzzard-66CB3BB4  G***  [kibuzzard-66CB3BB4]  39.11 98.15 270 bottom
kibuzzard-66CB3BB4#2  G***  [kibuzzard-66CB3BB4]  85.84 10.79 270 bottom
kibuzzard-66CB3BB4#3  G***  [kibuzzard-66CB3BB4]  85.84 54.47 270 bottom
kibuzzard-66CB3BB4#4  G***  [kibuzzard-66CB3BB4]  85.84 98.15 270 bottom
kibuzzard-66CB3BB4#5  G***  [kibuzzard-66CB3BB4]  85.84 141.83 270 bottom
kibuzzard-66CB3BB4#6  G***  [kibuzzard-66CB3BB4]  39.11 54.47 270 bottom
kibuzzard-66CB3BB4#7  G***  [kibuzzard-66CB3BB4]  39.11 141.83 270 bottom
kibuzzard-66CB3BB4#8  G***  [kibuzzard-66CB3BB4]  39.11 10.79 270 bottom
kibuzzard-66CB3BBD  G***  [kibuzzard-66CB3BBD]  41.65 54.47 270 bottom
kibuzzard-66CB3BBD#2  G***  [kibuzzard-66CB3BBD]  41.65 10.79 270 bottom
kibuzzard-66CB3BBD#3  G***  [kibuzzard-66CB3BBD]  41.65 141.83 270 bottom
kibuzzard-66CB3BBD#4  G***  [kibuzzard-66CB3BBD]  88.38 10.79 270 bottom
kibuzzard-66CB3BBD#5  G***  [kibuzzard-66CB3BBD]  88.38 141.83 270 bottom
kibuzzard-66CB3BBD#6  G***  [kibuzzard-66CB3BBD]  88.38 54.47 270 bottom
kibuzzard-66CB3BBD#7  G***  [kibuzzard-66CB3BBD]  88.38 98.15 270 bottom
kibuzzard-66CB3BBD#8  G***  [kibuzzard-66CB3BBD]  41.65 98.15 270 bottom
kibuzzard-66CB3BC8  G***  [kibuzzard-66CB3BC8]  90.92 142.97 270 bottom
kibuzzard-66CB3BC8#2  G***  [kibuzzard-66CB3BC8]  44.19 99.29 270 bottom
kibuzzard-66CB3BC8#3  G***  [kibuzzard-66CB3BC8]  90.92 11.93 270 bottom
kibuzzard-66CB3BC8#4  G***  [kibuzzard-66CB3BC8]  44.19 55.61 270 bottom
kibuzzard-66CB3BC8#5  G***  [kibuzzard-66CB3BC8]  44.19 142.97 270 bottom
kibuzzard-66CB3BC8#6  G***  [kibuzzard-66CB3BC8]  90.92 55.61 270 bottom
kibuzzard-66CB3BC8#7  G***  [kibuzzard-66CB3BC8]  90.92 99.29 270 bottom
kibuzzard-66CB3BC8#8  G***  [kibuzzard-66CB3BC8]  44.19 11.93 270 bottom
kibuzzard-66CB3BD0  G***  [kibuzzard-66CB3BD0]  93.46 99.04 270 bottom
kibuzzard-66CB3BD0#2  G***  [kibuzzard-66CB3BD0]  46.73 99.04 270 bottom
kibuzzard-66CB3BD0#3  G***  [kibuzzard-66CB3BD0]  93.46 11.68 270 bottom
kibuzzard-66CB3BD0#4  G***  [kibuzzard-66CB3BD0]  93.46 55.36 270 bottom
kibuzzard-66CB3BD0#5  G***  [kibuzzard-66CB3BD0]  93.46 142.72 270 bottom
kibuzzard-66CB3BD0#6  G***  [kibuzzard-66CB3BD0]  46.73 55.36 270 bottom
kibuzzard-66CB3BD0#7  G***  [kibuzzard-66CB3BD0]  46.73 142.72 270 bottom
kibuzzard-66CB3BD0#8  G***  [kibuzzard-66CB3BD0]  46.73 11.68 270 bottom
kibuzzard-66CB3BFF  G***  [kibuzzard-66CB3BFF]  39.11 141.7 90 top
kibuzzard-66CB3BFF#2  G***  [kibuzzard-66CB3BFF]  85.84 141.7 90 top
kibuzzard-66CB3BFF#3  G***  [kibuzzard-66CB3BFF]  85.84 10.66 90 top
kibuzzard-66CB3BFF#4  G***  [kibuzzard-66CB3BFF]  85.84 54.34 90 top
kibuzzard-66CB3BFF#5  G***  [kibuzzard-66CB3BFF]  85.84 98.02 90 top
kibuzzard-66CB3BFF#6  G***  [kibuzzard-66CB3BFF]  39.11 54.34 90 top
kibuzzard-66CB3BFF#7  G***  [kibuzzard-66CB3BFF]  39.11 98.02 90 top
kibuzzard-66CB3BFF#8  G***  [kibuzzard-66CB3BFF]  39.11 10.66 90 top
kibuzzard-66CB3C6B  G***  [kibuzzard-66CB3C6B]  45.84 39.24 0 top
kibuzzard-66CB3C6B#2  G***  [kibuzzard-66CB3C6B]  45.84 126.6 0 top
kibuzzard-66CB3C6B#3  G***  [kibuzzard-66CB3C6B]  92.56 82.92 0 top
kibuzzard-66CB3C6B#4  G***  [kibuzzard-66CB3C6B]  92.56 170.28 0 top
kibuzzard-66CB3C6B#5  G***  [kibuzzard-66CB3C6B]  45.84 82.92 0 top
kibuzzard-66CB3C6B#6  G***  [kibuzzard-66CB3C6B]  45.84 170.28 0 top
kibuzzard-66CB3C6B#7  G***  [kibuzzard-66CB3C6B]  92.56 39.24 0 top
